# Altium PCB 底板20160428.PcbDoc (part 1 of 2)
Units mm, origin at the board's own origin, x right, y up, seen from the top; angles counter-clockwise.
Board outline 123.5 x 102.51 mm, 2 copper layers (Top Layer, Bottom Layer); 220 components, 211 nets, 720 pads, 272 vias.
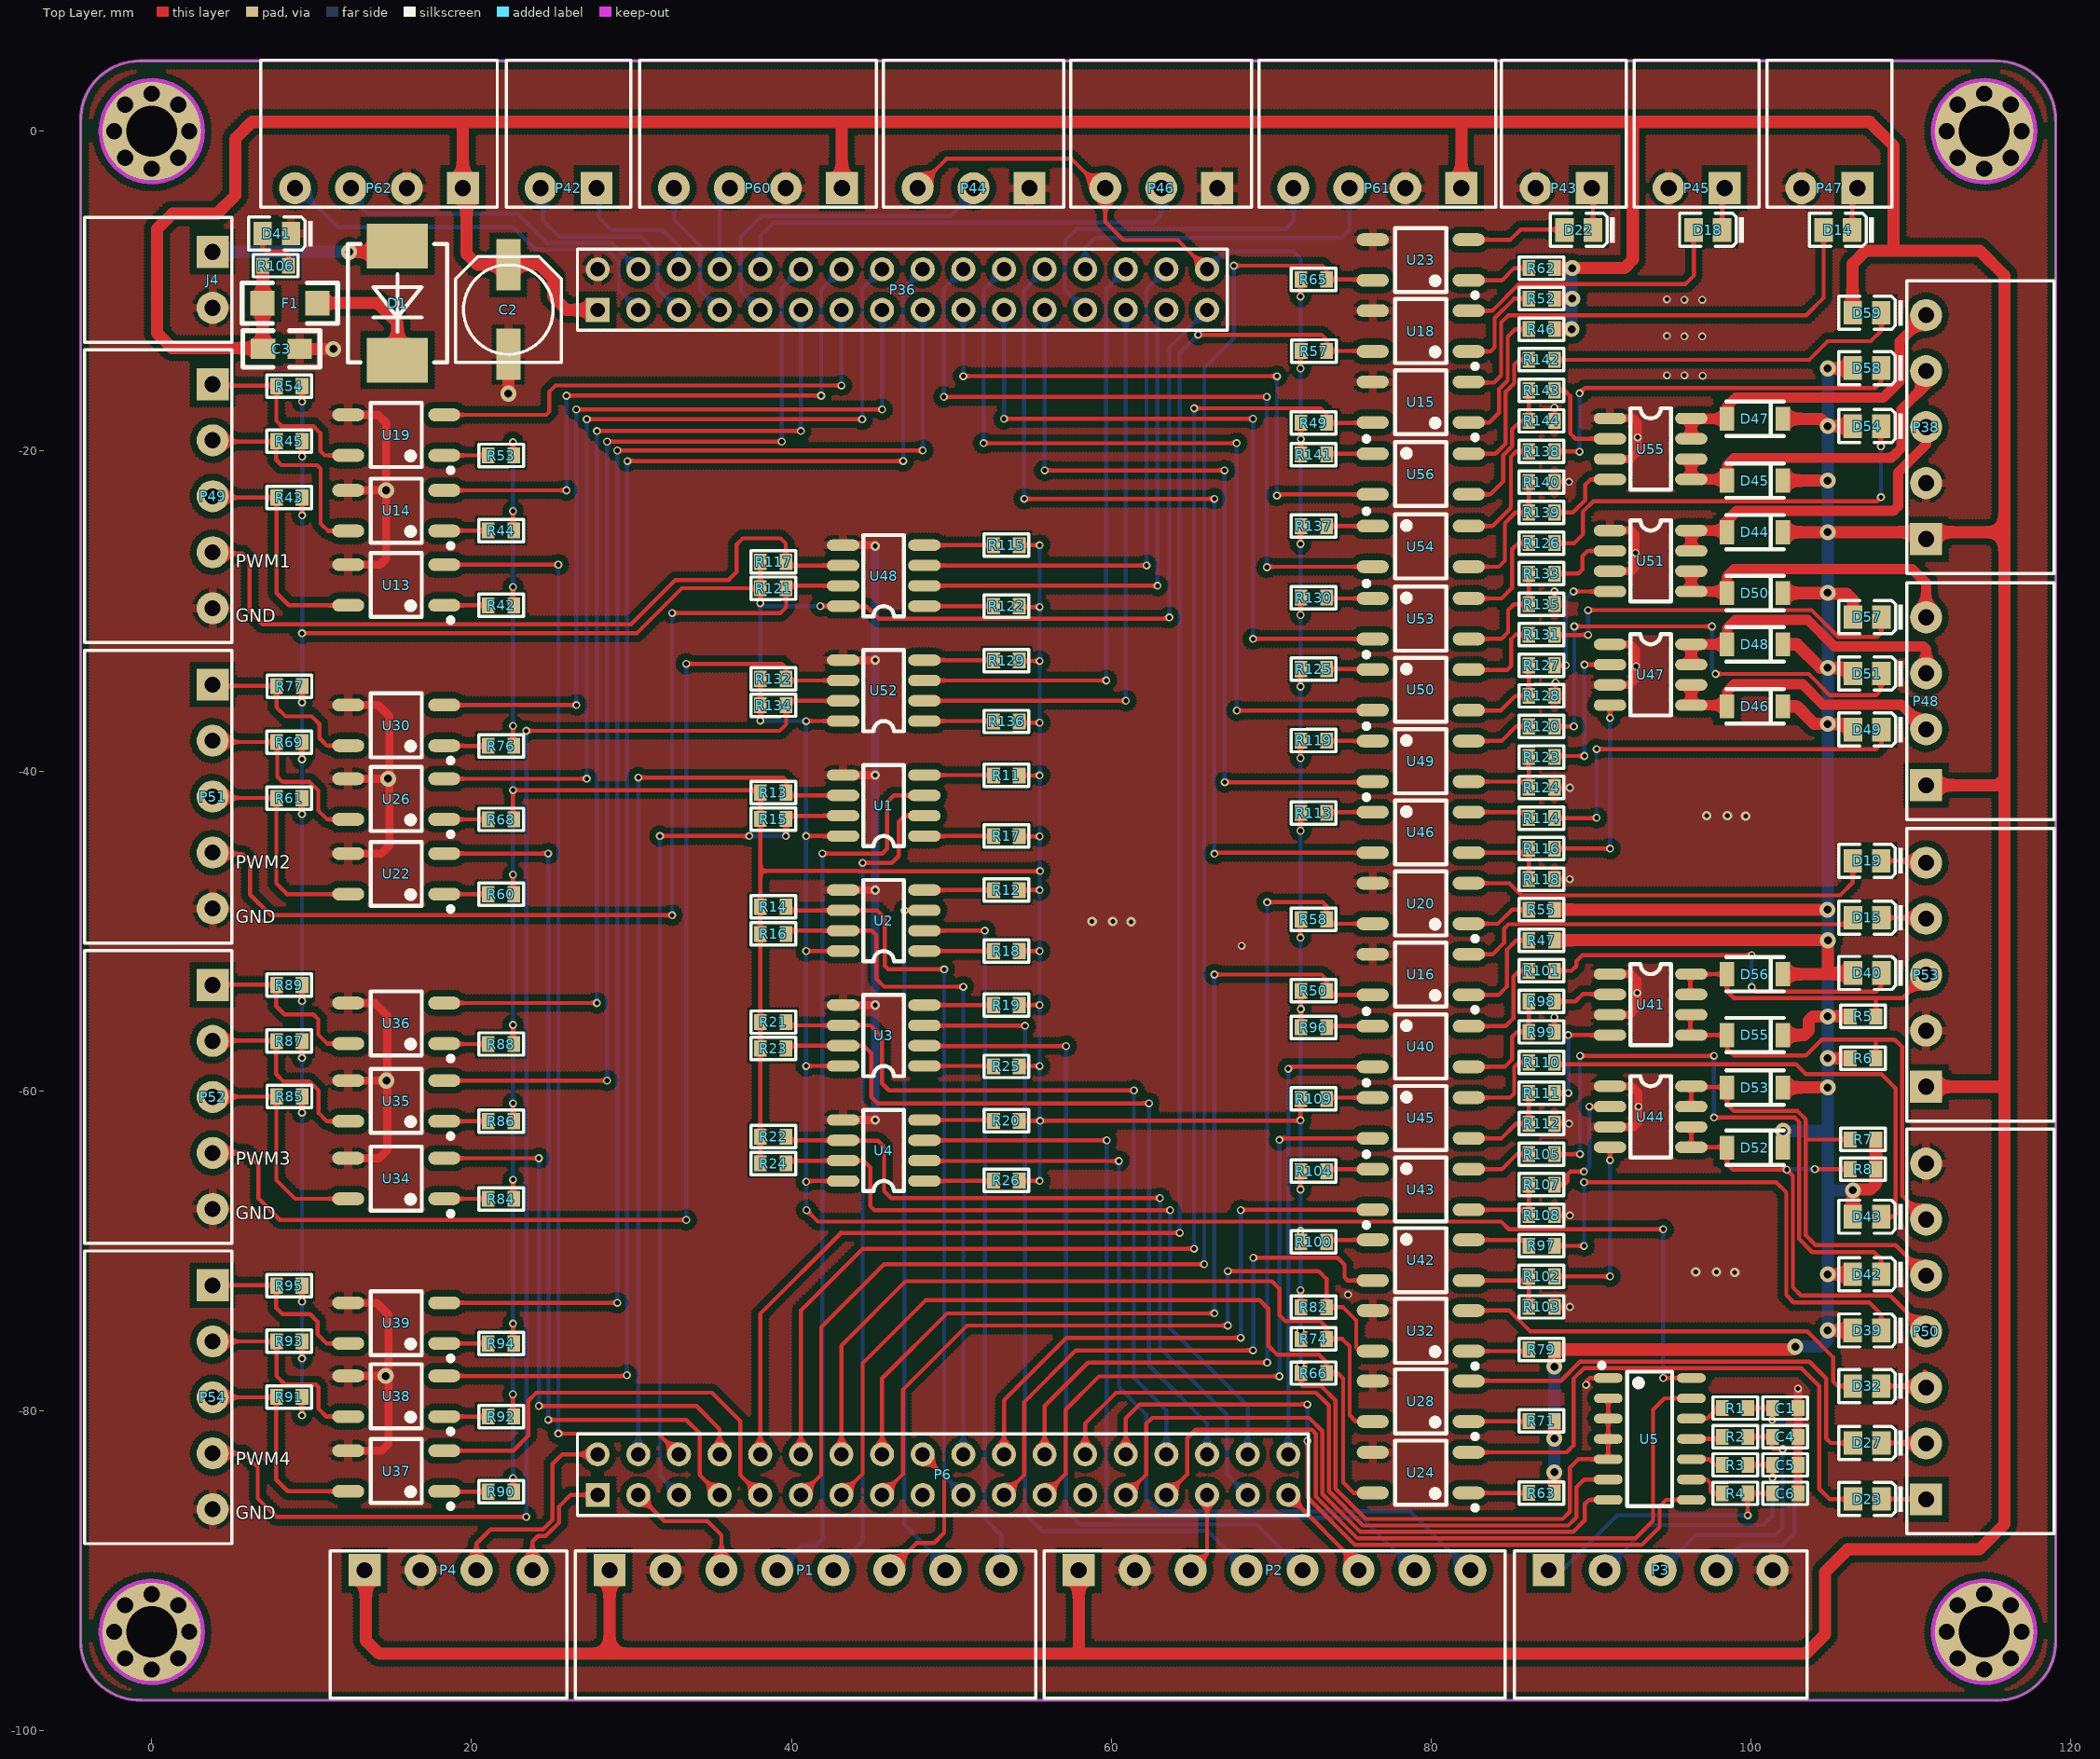
[diagram p0: Top Layer view]
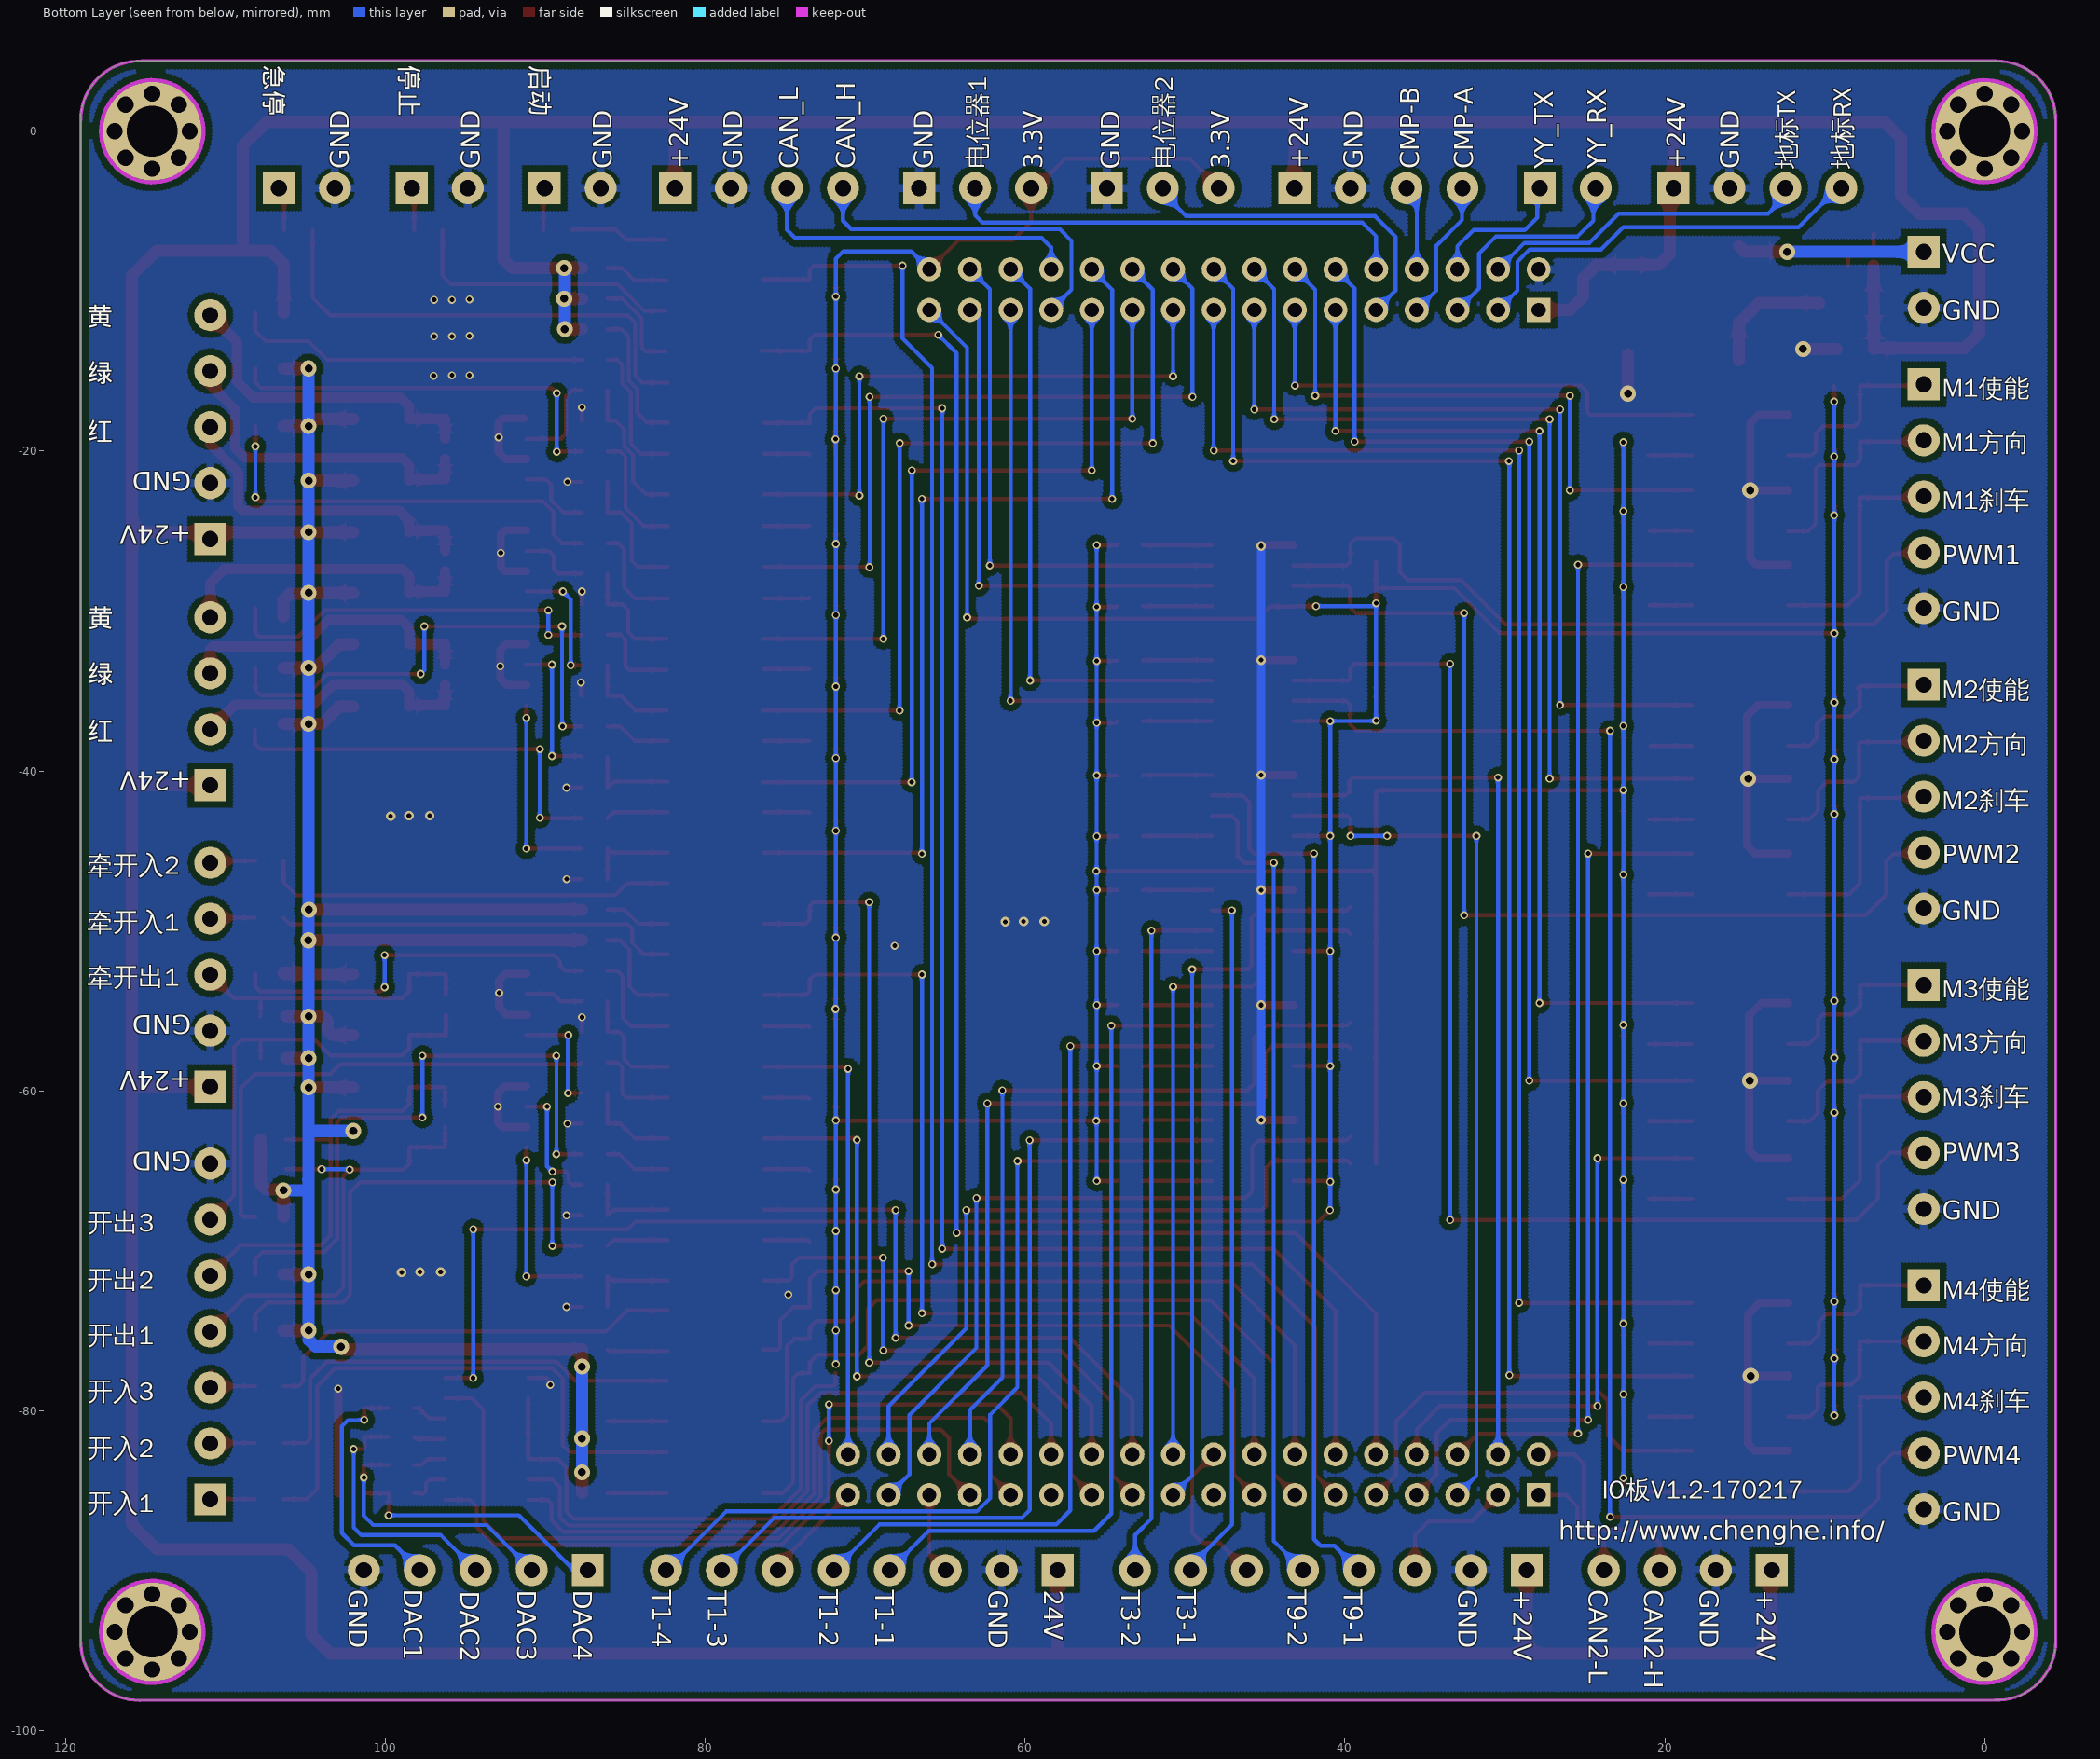
[diagram p1: Bottom Layer view, seen from below]
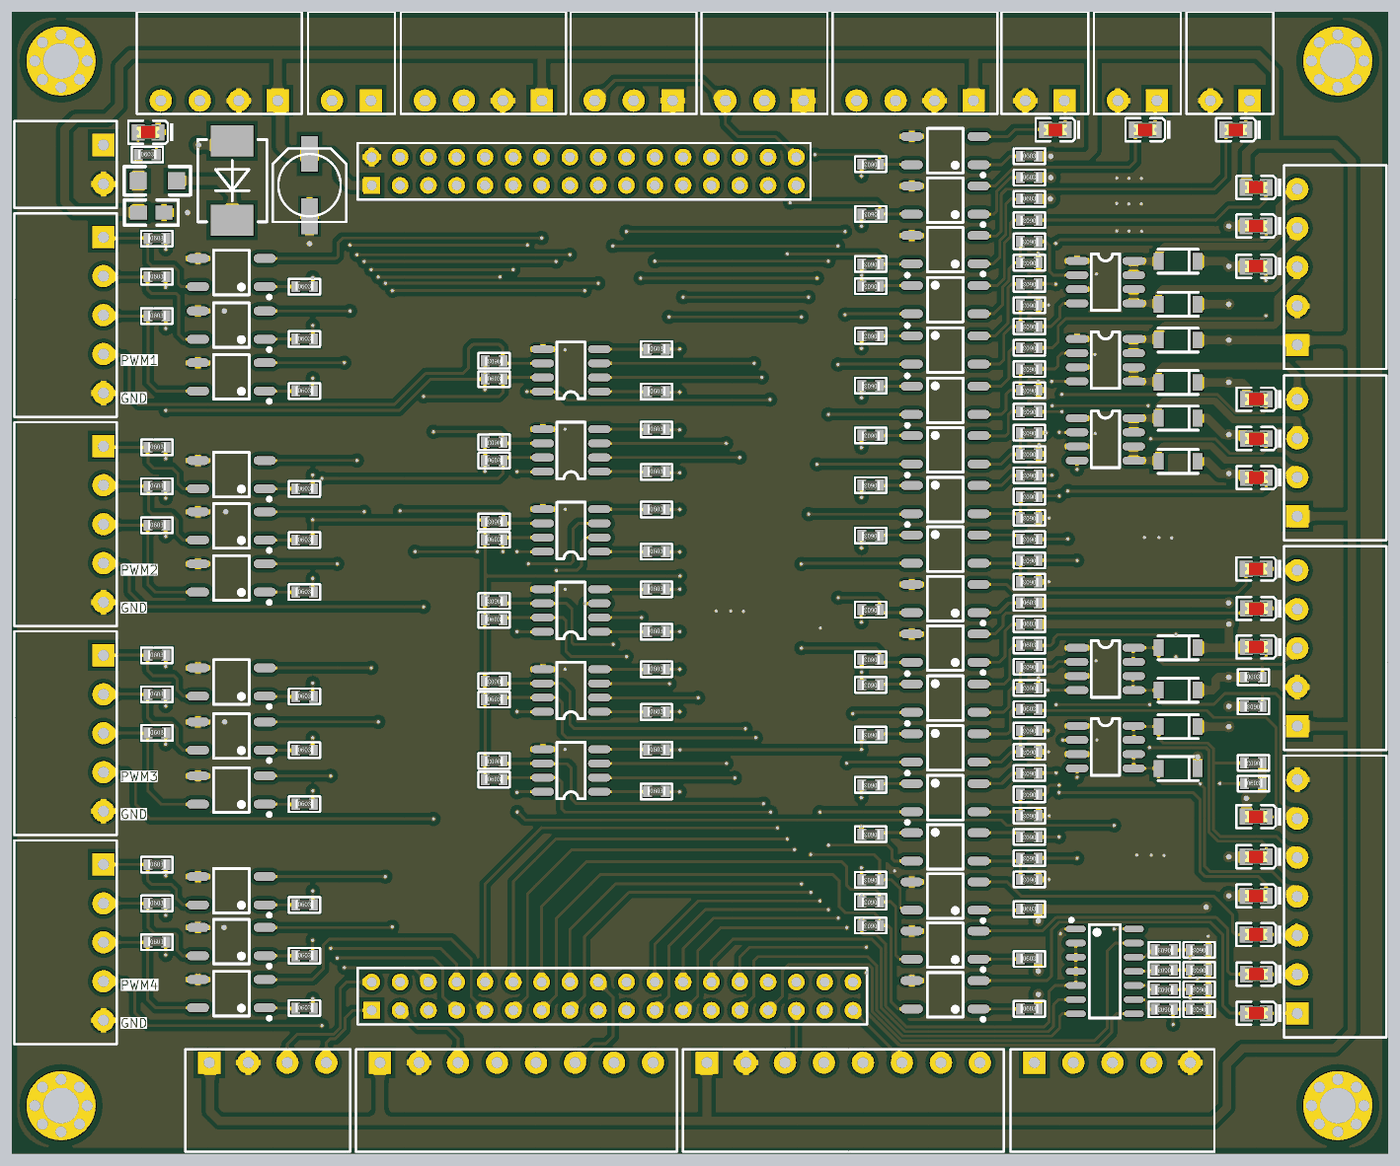
[diagram p3: 3D render of the assembled board from above, using the file's embedded part models]

## Layer stack, top to bottom
Top Solder: solder mask 0.0102, Solder Resist, Dk 3.5
Top Layer: signal copper 0.0356
Dielectric1: dielectric 0.32, FR-4, Dk 4.8
Bottom Layer: signal copper 0.0356
Bottom Solder: solder mask 0.0102, Solder Resist, Dk 3.5

## Board outline
-4.445,-94.414 -4.445,0.584 cw(c-0.766,0.705) -0.766,4.386 -0.766,4.394 115.248,4.394 115.248,4.39 cw(c115.369,0.711) 119.05,0.711 119.055,0.711 119.055,-94.31 cw(c115.376,-94.431) 115.376,-98.112 115.376,-98.106 -0.643,-98.095 -0.643,-98.093 cw(c-0.764,-94.414)

## Design rules (kind name [scope] priority, off if disabled: settings)
Clearance inpolygon [InPolygon] p1: gap=0.4
Clearance [All] p2: gap=0.152
HoleSize [All] p1: absolutevalues=TRUE maxlimit=12.7 minlimit=0.025 maxpercent=80.000 minpercent=20.000
HoleToHoleClearance [All] p1: gap=0.152 allowstackedmicrovias=TRUE
MinimumSolderMaskSliver [All] p1: minsoldermaskwidth=0.051
PolygonConnect PolygonConnect_1 [IsVia] p1: connectstyle=Direct reliefconductorwidth=0.254 reliefentries=4 polygonreliefangle="90 Angle" airgapwidth=0.254
PolygonConnect [IsPad] p2: connectstyle=Relief reliefconductorwidth=0.508 reliefentries=4 polygonreliefangle="90 Angle" airgapwidth=0.254
RoutingVias [All] p1: holewidth=0.711 width=1.27 viastyle="Through Hole" minholewidth=0.711 minwidth=1.27 maxholewidth=0.711 maxwidth=1.27
SilkToSilkClearance [All] p1: silktosilkclearance=-1
SilkToSolderMaskClearance SilkscreenOverComponentPads [IsPad] p1: minsilkscreentomaskgap=-1 clearancetoexposedcopper=TRUE
SolderMaskExpansion [All] p1: expansion=0.102
Width [All] p1: maxlimit=2.54 minlimit=0.152 preferedwidth=0.254 minimp=50.000000 maximp=50.000000 favimp=50.000000
25 further rules are at their usual default settings.

## Components (designator, comment, footprint, x,y, rotation, side; value= is the part's Value field where it differs from the comment)
C1 "0.1uF" 0603 102.146,-79.832 r180 top
C2 "220uF" CC6.56.5 22.301,-11.151 r270 top
C3 "0.1uF" 0805 6.96,-13.614 r0 top
C4 "0.1uF" 0603 102.146,-81.636 r180 top
C5 "0.1uF" 0603 102.146,-83.388 r180 top
C6 "0.1uF" 0603 102.146,-85.166 r180 top
D1 "" LC-SMC(DO-214AB)_S2 15.367,-10.744 r90 top
D14 "LED0" LC-0805_LED_S1 104.546,-6.172 r180 top
D15 "LED0" LC-0805_LED_S1 106.375,-49.174 r180 top
D18 "LED0" LC-0805_LED_S1 96.418,-6.172 r180 top
D19 "LED0" LC-0805_LED_S1 106.365,-45.618 r180 top
D22 "LED0" LC-0805_LED_S1 88.341,-6.172 r180 top
D23 "LED0" LC-0805_LED_S1 106.375,-85.522 r180 top
D27 "LED0" LC-0805_LED_S1 106.375,-82.017 r180 top
D32 "LED0" LC-0805_LED_S1 106.365,-78.461 r180 top
D39 "LED0" LC-0805_LED_S1 106.365,-74.981 r180 top
D40 "LED0" LC-0805_LED_S1 106.375,-52.629 r180 top
D41 "LED0" LC-0805_LED_S1 6.934,-6.401 r180 top
D42 "LED0" LC-0805_LED_S1 106.365,-71.476 r180 top
D43 "LED0" LC-0805_LED_S1 106.365,-67.869 r180 top
D44 "" LC-LL-34 102.001,-25.07 r180 top
D45 "" LC-LL-34 102.001,-21.844 r180 top
D46 "" LC-LL-34 102.001,-35.966 r180 top
D47 "" LC-LL-34 102.001,-17.983 r180 top
D48 "" LC-LL-34 102.001,-32.08 r180 top
D49 "LED0" LC-0805_LED_S1 106.375,-37.414 r180 top
D50 "" LC-LL-34 102.001,-28.88 r180 top
D51 "LED0" LC-0805_LED_S1 106.375,-33.909 r180 top
D52 "" LC-LL-34 102.001,-63.551 r180 top
D53 "" LC-LL-34 102.001,-59.792 r180 top
D54 "LED0" LC-0805_LED_S1 106.365,-18.44 r180 top
D55 "" LC-LL-34 102.001,-56.515 r180 top
D56 "" LC-LL-34 102.001,-52.705 r180 top
D57 "LED0" LC-0805_LED_S1 106.375,-30.378 r180 top
D58 "LED0" LC-0805_LED_S1 106.365,-14.808 r180 top
D59 "LED0" LC-0805_LED_S1 106.365,-11.354 r180 top
F1 "Fuse 1" 1206 10.363,-10.77 r180 top
J4 "CON2" DZ-2-3.5 3.81,-7.544 r270 top
P1 "编码器" DZ-8-3.5 28.626,-89.967 r0 top
P2 "编码器" DZ-8-3.5 57.963,-89.967 r0 top
P3 "DAC" DZ-5-3.5 87.351,-89.967 r0 top
P4 "CAN" DZ-4-3.5 13.31,-89.967 r0 top
P6 "Header 18X2" HDR2X18 27.889,-85.268 r0 top locked
P36 "Header 16X2" HDR2X16 27.889,-11.176 r0 top locked
P38 "三色灯" DZ-5-3.5 110.947,-25.502 r90 top
P42 "语音板通信" DZ-2-3.5 27.813,-3.556 r180 top
P43 "启动" DZ-2-3.5 90.043,-3.556 r180 top
P44 "电位器1" DZ-3-3.5 54.889,-3.556 r180 top
P45 "停止" DZ-2-3.5 98.349,-3.556 r180 top
P46 "电位器2" DZ-3-3.5 66.624,-3.556 r180 top
P47 "急停" DZ-2-3.5 106.655,-3.556 r180 top
P48 "三色灯" DZ-4-3.5 110.947,-40.894 r90 top
P49 "电机1" DZ-5-3.5 3.81,-15.823 r270 top
P50 "通讯IO" DZ-7-3.5 110.947,-85.547 r90 top
P51 "电机2" DZ-5-3.5 3.81,-34.603 r270 top
P52 "电机3" DZ-5-3.5 3.81,-53.382 r270 top
P53 "牵引杆" DZ-5-3.5 110.947,-59.741 r90 top
P54 "电机4" DZ-5-3.5 3.81,-72.161 r270 top
P60 "触摸屏RS485" DZ-4-3.5 43.155,-3.556 r180 top
P61 "CAN" DZ-4-3.5 81.89,-3.556 r180 top
P62 "RFID_RS232" DZ-4-3.5 19.456,-3.556 r180 top
R1 "1K" 0603 99.009,-79.832 r180 top
R2 "1K" 0603 99.009,-81.636 r180 top
R3 "1K" 0603 99.009,-83.388 r180 top
R4 "1K" 0603 99.009,-85.166 r180 top
R5 "4.7K" 0603 107.01,-55.347 r0 top
R6 "4.7K" 0603 107.01,-57.963 r180 top
R7 "4.7K" 0603 107.01,-63.043 r180 top
R8 "4.7K" 0603 107.01,-64.897 r0 top
R11 "330R" 0603 53.442,-40.284 r0 top
R12 "330R" 0603 53.442,-47.447 r0 top
R13 "330R" 0603 38.862,-41.351 r180 top
R14 "330R" 0603 38.862,-48.489 r180 top
R15 "330R" 0603 38.862,-43.002 r0 top
R16 "330R" 0603 38.862,-50.19 r0 top
R17 "330R" 0603 53.442,-44.069 r0 top
R18 "330R" 0603 53.442,-51.257 r0 top
R19 "330R" 0603 53.442,-54.635 r0 top
R20 "330R" 0603 53.442,-61.874 r0 top
R21 "330R" 0603 38.862,-55.702 r180 top
R22 "330R" 0603 38.862,-62.865 r180 top
R23 "330R" 0603 38.862,-57.353 r0 top
R24 "330R" 0603 38.862,-64.541 r0 top
R25 "330R" 0603 53.442,-58.471 r0 top
R26 "330R" 0603 53.442,-65.608 r0 top
R42 "1K" 0603 21.844,-29.642 r0 top
R43 "4.7K" 0603 8.603,-22.904 r0 top
R44 "1K" 0603 21.844,-24.968 r0 top
R45 "4.7K" 0603 8.603,-19.38 r0 top
R46 "4.7K" 0603 86.906,-12.38 r0 top
R47 "4.7K" 0603 86.906,-50.585 r0 top
R49 "1K" 0603 72.657,-18.237 r180 top
R50 "1K" 0603 72.657,-53.746 r180 top
R52 "4.7K" 0603 86.906,-10.47 r0 top
R53 "1K" 0603 21.844,-20.269 r0 top
R54 "4.7K" 0603 8.603,-15.944 r0 top
R55 "4.7K" 0603 86.906,-48.675 r0 top
R57 "1K" 0603 72.669,-13.741 r180 top
R58 "1K" 0603 72.657,-49.276 r180 top
R60 "1K" 0603 21.844,-47.701 r0 top
R61 "4.7K" 0603 8.603,-41.7 r0 top
R62 "4.7K" 0603 86.906,-8.56 r0 top
R63 "4.7K" 0603 86.906,-85.141 r0 top
R65 "1K" 0603 72.657,-9.271 r180 top
R66 "1K" 0603 72.657,-77.648 r180 top
R68 "1K" 0603 21.844,-43.028 r0 top
R69 "4.7K" 0603 8.603,-38.195 r0 top
R71 "4.7K" 0603 86.906,-80.645 r0 top
R74 "1K" 0603 72.657,-75.514 r180 top
R76 "1K" 0603 21.844,-38.43 r0 top
R77 "4.7K" 0603 8.611,-34.696 r0 top
R79 "4.7K" 0603 86.906,-76.175 r0 top
R82 "1K" 0603 72.657,-73.533 r180 top
R84 "1K" 0603 21.844,-66.751 r0 top
R85 "4.7K" 0603 8.611,-60.35 r0 top
R86 "1K" 0603 21.844,-61.9 r0 top
R87 "4.7K" 0603 8.603,-56.889 r0 top
R88 "1K" 0603 21.844,-57.074 r0 top
R89 "4.7K" 0603 8.603,-53.384 r0 top
R90 "1K" 0603 21.844,-85.065 r0 top
R91 "4.7K" 0603 8.603,-79.14 r0 top
R92 "1K" 0603 21.844,-80.366 r0 top
R93 "4.7K" 0603 8.603,-75.66 r0 top
R94 "1K" 0603 21.844,-75.794 r0 top
R95 "4.7K" 0603 8.603,-72.18 r0 top
R96 "1K" 0603 72.657,-56.032 r180 top
R97 "4.7K" 0603 86.906,-69.687 r180 top
R98 "1K" 0603 86.906,-54.405 r180 top
R99 "4.7K" 0603 86.906,-56.316 r180 top
R100 "1K" 0603 72.657,-69.444 r180 top
R101 "4.7K" 0603 86.906,-52.495 r0 top
R102 "1K" 0603 86.906,-71.597 r180 top
R103 "4.7K" 0603 86.906,-73.508 r180 top
R104 "1K" 0603 72.657,-65.024 r180 top
R105 "4.7K" 0603 86.906,-63.956 r180 top
R106 "4.7K" 0603 7.747,-8.407 r0 top
R107 "1K" 0603 86.906,-65.867 r180 top
R108 "4.7K" 0603 86.906,-67.777 r180 top
R109 "1K" 0603 72.657,-60.503 r180 top
R110 "4.7K" 0603 86.906,-58.226 r0 top
R111 "1K" 0603 86.906,-60.136 r180 top
R112 "4.7K" 0603 86.906,-62.046 r180 top
R113 "1K" 0603 72.657,-42.621 r180 top
R114 "4.7K" 0603 86.906,-42.944 r180 top
R115 "330R" 0603 53.442,-25.883 r0 top
R116 "1K" 0603 86.906,-44.854 r180 top
R117 "2K" 0603 38.862,-26.924 r180 top
R118 "4.7K" 0603 86.906,-46.764 r180 top
R119 "1K" 0603 72.657,-38.1 r180 top
R120 "4.7K" 0603 86.906,-37.213 r180 top
R121 "2K" 0603 38.862,-28.575 r0 top
R122 "330R" 0603 53.442,-29.693 r0 top
R123 "1K" 0603 86.906,-39.124 r180 top
R124 "4.7K" 0603 86.906,-41.034 r180 top
R125 "1K" 0603 72.657,-33.63 r180 top
R126 "4.7K" 0603 86.906,-25.752 r180 top
R127 "1K" 0603 86.906,-33.393 r180 top
R128 "4.7K" 0603 86.906,-35.303 r180 top
R129 "330R" 0603 53.442,-33.096 r0 top
R130 "1K" 0603 72.657,-29.159 r180 top
R131 "4.7K" 0603 86.906,-31.483 r180 top
R132 "2K" 0603 38.862,-34.239 r180 top
R133 "1K" 0603 86.906,-27.662 r180 top
R134 "2K" 0603 38.862,-35.89 r0 top
R135 "4.7K" 0603 86.906,-29.572 r180 top
R136 "330R" 0603 53.442,-36.906 r0 top
R137 "1K" 0603 72.657,-24.689 r180 top
R138 "4.7K" 0603 86.906,-20.021 r180 top
R139 "1K" 0603 86.906,-23.842 r180 top
R140 "4.7K" 0603 86.906,-21.931 r180 top
R141 "1K" 0603 72.657,-20.218 r180 top
R142 "4.7K" 0603 86.906,-14.291 r180 top
R143 "1K" 0603 86.906,-16.201 r180 top
R144 "4.7K" 0603 86.906,-18.111 r180 top
U1 "HCPL0630" SO-8 48.311,-44.069 r180 top
U2 "HCPL0630" SO-8 48.311,-51.257 r180 top
U3 "HCPL0630" SO-8 48.311,-58.445 r180 top
U4 "HCPL0630" SO-8 48.311,-65.634 r180 top
U5 "TLC5620" LC-SOIC-14_150mil 93.67,-81.763 r270 top
U13 "TLP127" LC-SOP-4_P2.54 18.288,-29.642 r180 top
U14 "TLP127" LC-SOP-4_P2.54 18.288,-24.994 r180 top
U15 "TLP127" LC-SOP-4_P2.54 82.347,-18.212 r180 top
U16 "TLP127" LC-SOP-4_P2.54 82.347,-54 r180 top
U18 "TLP127" LC-SOP-4_P2.54 82.347,-13.767 r180 top
U19 "TLP127" LC-SOP-4_P2.54 18.288,-20.269 r180 top
U20 "TLP127" LC-SOP-4_P2.54 82.347,-49.555 r180 top
U22 "TLP127" LC-SOP-4_P2.54 18.288,-47.701 r180 top
U23 "TLP127" LC-SOP-4_P2.54 82.347,-9.322 r180 top
U24 "TLP127" LC-SOP-4_P2.54 82.347,-85.141 r180 top
U26 "TLP127" LC-SOP-4_P2.54 18.288,-43.028 r180 top
U28 "TLP127" LC-SOP-4_P2.54 82.347,-80.681 r180 top
U30 "TLP127" LC-SOP-4_P2.54 18.288,-38.419 r180 top
U32 "TLP127" LC-SOP-4_P2.54 82.347,-76.276 r180 top
U34 "TLP127" LC-SOP-4_P2.54 18.288,-66.751 r180 top
U35 "TLP127" LC-SOP-4_P2.54 18.288,-61.9 r180 top
U36 "TLP127" LC-SOP-4_P2.54 18.288,-57.048 r180 top
U37 "TLP127" LC-SOP-4_P2.54 18.288,-85.039 r180 top
U38 "TLP127" LC-SOP-4_P2.54 18.288,-80.366 r180 top
U39 "TLP127" LC-SOP-4_P2.54 18.288,-75.794 r180 top
U40 "TLP127" LC-SOP-4_P2.54 76.352,-55.956 r0 top
U41 "AF4920GW" SO-8 91.186,-52.705 r0 top
U42 "TLP127" LC-SOP-4_P2.54 76.352,-69.317 r0 top
U43 "TLP127" LC-SOP-4_P2.54 76.352,-64.897 r0 top
U44 "AF4920GW" SO-8 91.186,-59.715 r0 top
U45 "TLP127" LC-SOP-4_P2.54 76.352,-60.427 r0 top